# KiCad board handheld.kicad_pcb
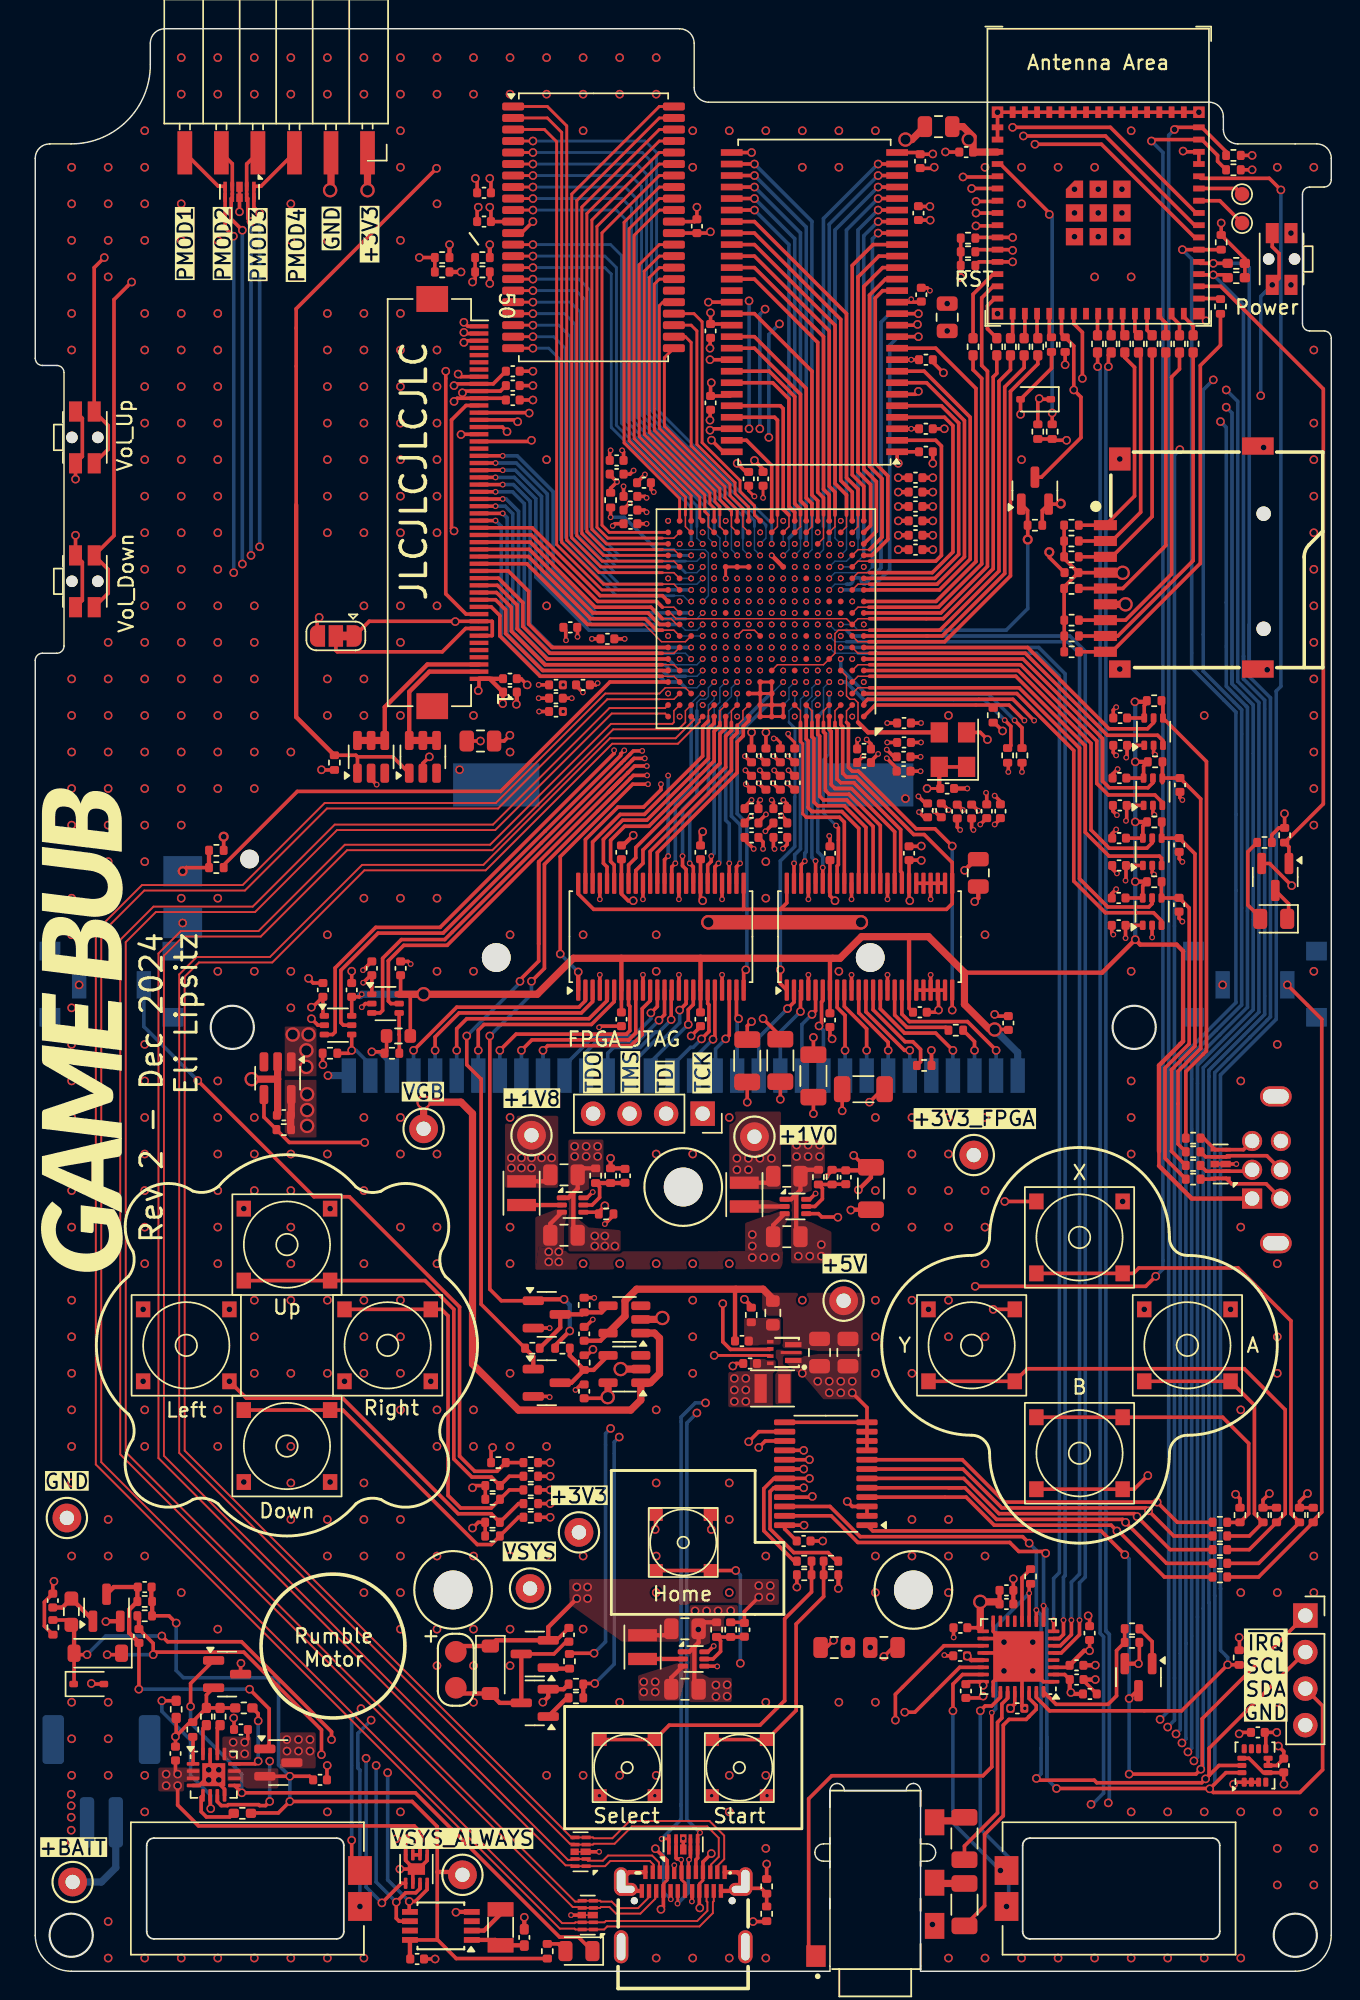
[diagram p0: board, top side]
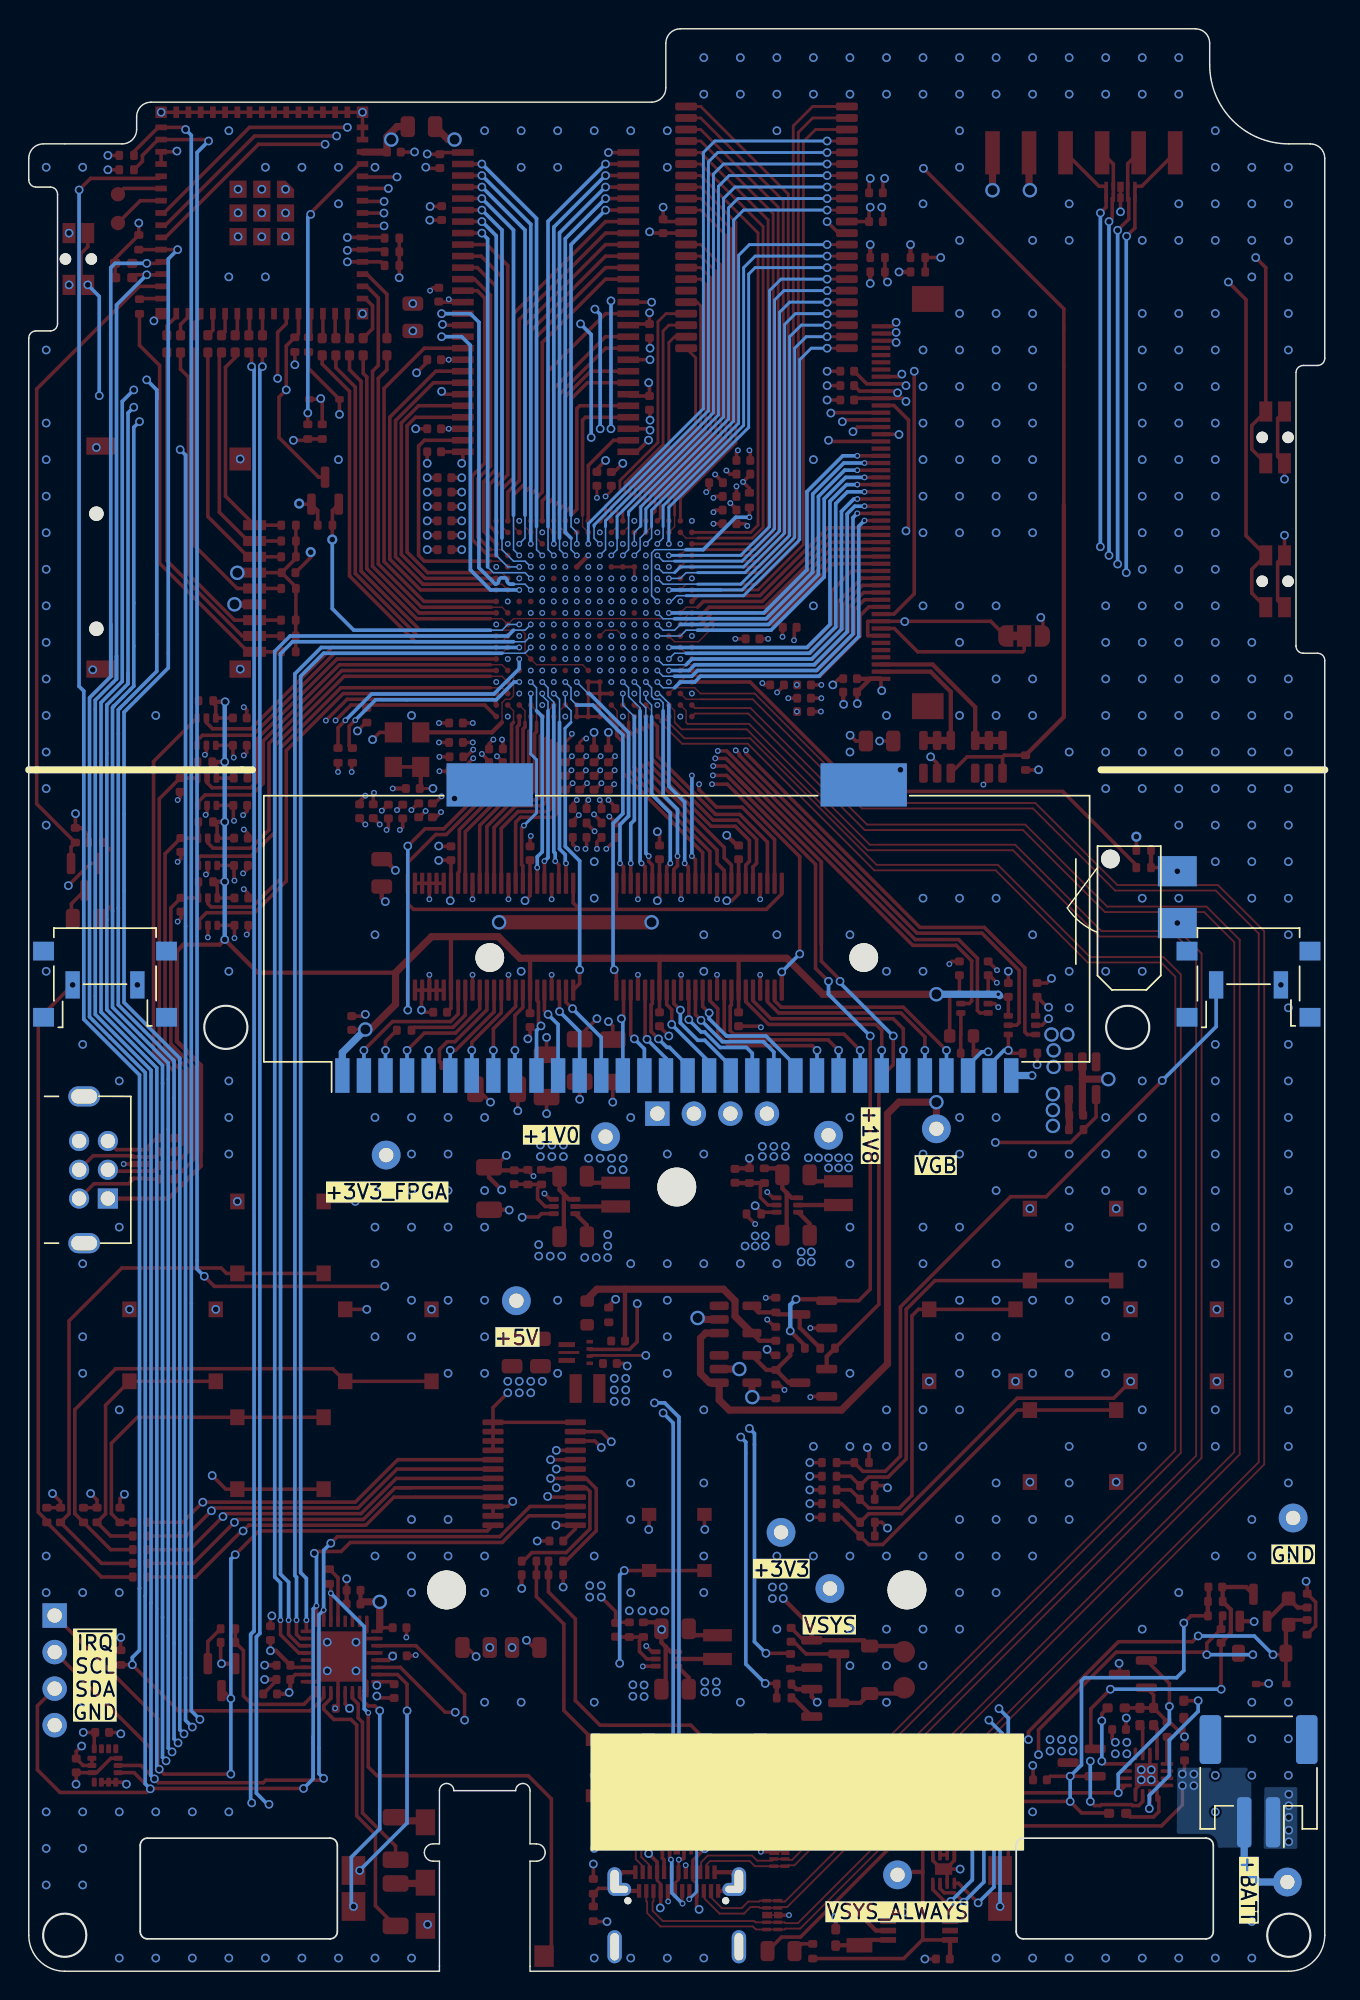
[diagram p1: board, bottom side, seen from below]

Outline 90.1 x 135 mm; copper layers: F.Cu (SIG), In1.Cu (GND) (plane), In2.Cu (SIG), In3.Cu (PWR) (plane), In4.Cu (GND) (plane), B.Cu (SIG). Coordinates in mm from the lower left corner of the outline.
Outline path: circle c2.5,2.5 r1.5 ; circle c13.7,65.6 r1.5 ; circle c76.4,65.6 r1.5 ; circle c87.6,2.5 r1.5 ; 55.25,0.35 55.25,0 2.5,0 arc(0.73,0.73) 0,2.5 0,91.1 arc(0.15,91.45) 0.5,91.6 1.5,91.6 arc(1.85,91.75) 2,92.1 2,111.1 arc(1.85,111.45) 1.5,111.6 0.5,111.6 arc(0.15,111.75) 0,112.1 0,126 arc(0.29,126.71) 1,127 2.5,127 arc(6.39,128.61) 8,132.5 8,134 arc(8.29,134.71) 9,135 44.81,135 arc(45.51,134.71) 45.81,134 45.81,130.9 arc(46.1,130.19) 46.81,129.9 81.6,129.9 arc(82.31,129.61) 82.6,128.9 82.6,128 arc(82.89,127.29) 83.6,127 89.1,127 arc(89.81,126.71) 90.1,126 90.1,124.5 arc(89.95,124.15) 89.6,124 88.6,124 arc(88.25,123.85) 88.1,123.5 88.1,114.5 arc(88.25,114.15) 88.6,114 89.6,114 arc(89.95,113.85) 90.1,113.5 90.1,2.5 arc(89.37,0.73) 87.6,0 61.55,0 61.55,0.35
Stack: F.Cu (SIG) 0.035mm / dielectric 0.0994mm FR4 er 4.5 / In1.Cu (GND) 0.0152mm / dielectric 0.55mm FR4 er 4.5 / In2.Cu (SIG) 0.0152mm / dielectric 0.1088mm FR4 er 4.5 / In3.Cu (PWR) 0.0152mm / dielectric 0.55mm FR4 er 4.5 / In4.Cu (GND) 0.0152mm / dielectric 0.0994mm FR4 er 4.5 / B.Cu (SIG) 0.035mm

## Placement (name value [footprint] x y rotation side)
C201  100n  [C_0402_1005Metric]  26.23 9.2 0 top
C202  4u7  [C_0402_1005Metric]  14.3 16.8 180 top
C203  4u7  [C_0402_1005Metric]  19.8 13.3 0 top
C204  4u7  [C_0402_1005Metric]  9.75 15.13 90 top
C205  10u  [C_0402_1005Metric]  1.22 25.76 270 top
C206  100n  [C_0402_1005Metric]  7.61 26.7 180 top
C207  1u  [C_0402_1005Metric]  7.21 23.3 90 top
C301  47u  [C_0805_2012Metric]  52.25 55.25 0 top
C302  47u  [C_0805_2012Metric]  52.25 51.05 0 top
C303  22p  [C_0402_1005Metric]  56.35 55.18 90 top
C304  10u  [C_0402_1005Metric]  49.7 42.24 180 top
C305  470p  [C_0402_1005Metric]  49.13 43.8 180 top  (not fitted)
C306  22u  [C_0805_2012Metric]  56.5 43 270 top
C307  22u  [C_0805_2012Metric]  54.53 43 270 top
C308  47u  [C_0805_2012Metric]  36.76 55.35 0 top
C309  47u  [C_0805_2012Metric]  36.76 51.15 0 top
C310  22p  [C_0402_1005Metric]  41 55.28 90 top
C311  47u  [C_0805_2012Metric]  45.17 23.8 0 top
C312  47u  [C_0805_2012Metric]  45.17 19.6 0 top
C313  22p  [C_0402_1005Metric]  49.3 23.73 90 top  (not fitted)
C314  100n  [C_0402_1005Metric]  17.28 59.49 0 top
C401  100n  [C_0402_1005Metric]  64.72 126.43 0 top
C402  22u  [C_0805_2012Metric]  62.8 128.2 180 top
C403  100n  [C_0402_1005Metric]  72.04 97.2 0 top
C601  100u  [C_1206_3216Metric]  54.1 62.22 90 top
C602  100u  [C_1206_3216Metric]  51.8 63.3 90 top
C603  100u  [C_1206_3216Metric]  49.5 63.28 90 top
C604  100u  [C_1206_3216Metric]  58.1 54.4 270 top
C605  4u7  [C_0402_1005Metric]  49.8 80.8 0 top
C606  4u7  [C_0402_1005Metric]  51.8 79.8 180 top
C607  4u7  [C_0402_1005Metric]  51.8 80.8 180 top
C608  4u7  [C_0402_1005Metric]  51.8 78.8 0 top
C609  4u7  [C_0402_1005Metric]  49.8 78.8 0 top
C610  4u7  [C_0402_1005Metric]  49.8 79.8 0 top
C611  470n  [C_0402_1005Metric]  50.8 82.6 270 top
C612  470n  [C_0402_1005Metric]  51.8 82.6 270 top
C613  470n  [C_0402_1005Metric]  49.8 82.6 270 top
C614  470n  [C_0402_1005Metric]  49.8 84.5 270 top
C615  470n  [C_0402_1005Metric]  52.8 84.5 270 top
C616  470n  [C_0402_1005Metric]  51.8 84.5 270 top
C617  470n  [C_0402_1005Metric]  50.6 103.72 90 top
C618  470n  [C_0402_1005Metric]  49.6 103.72 90 top
C619  100u  [C_1206_3216Metric]  57.57 61.3 0 top
C620  470n  [C_0402_1005Metric]  50.8 84.5 270 top
C621  470n  [C_0402_1005Metric]  52.8 82.6 270 top
C622  47u  [C_0805_2012Metric]  30.95 85.5 180 top
C623  4u7  [C_0402_1005Metric]  36.2 89.4 180 top
C624  4u7  [C_0402_1005Metric]  36.2 88.47 180 top
C625  470n  [C_0402_1005Metric]  37.2 93.4 0 top
C626  470n  [C_0402_1005Metric]  39.78 92.6 180 top
C627  470n  [C_0402_1005Metric]  38.08 89.4 180 top
C628  470n  [C_0402_1005Metric]  36.2 87.55 180 top
C629  47u  [C_0805_2012Metric]  65.56 76.34 270 top
C701  47u  [C_0805_2012Metric]  63.4 114.95 90 top
C702  100n  [C_0402_1005Metric]  63.4 82.2 180 top
C801  470n  [C_0402_1005Metric]  42.32 103.45 180 top
C802  470n  [C_0402_1005Metric]  41.38 102.5 180 top
C803  470n  [C_0402_1005Metric]  41.38 101.55 180 top
C804  470n  [C_0402_1005Metric]  41.38 100.6 180 top
C805  4u7  [C_0402_1005Metric]  40.42 104.05 0 top
C806  4u7  [C_0402_1005Metric]  40.42 105 0 top
C901  470n  [C_0402_1005Metric]  64.1 80.6 90 top
C902  470n  [C_0402_1005Metric]  65.1 80.6 90 top
C903  470n  [C_0402_1005Metric]  62.99 80.68 270 top
C904  470n  [C_0402_1005Metric]  62.04 80.68 270 top
C905  4u7  [C_0402_1005Metric]  67.1 80.62 270 top
C906  4u7  [C_0402_1005Metric]  66.15 80.62 270 top
C1101  470n  [C_0402_1005Metric]  61.2 101.8 0 top
C1102  470n  [C_0402_1005Metric]  61.2 100.8 0 top
C1103  470n  [C_0402_1005Metric]  61.2 99.8 0 top
C1104  470n  [C_0402_1005Metric]  61.2 98.8 0 top
C1105  4u7  [C_0402_1005Metric]  61.2 103.8 0 top
C1106  4u7  [C_0402_1005Metric]  61.2 102.8 0 top
C1201  470n  [C_0402_1005Metric]  57.62 84.95 0 top
C1202  470n  [C_0402_1005Metric]  57.62 84 0 top
C1203  470n  [C_0402_1005Metric]  60.4 86.75 0 top
C1204  470n  [C_0402_1005Metric]  60.4 85.4 0 top
C1205  4u7  [C_0402_1005Metric]  60.37 84.4 0 top
C1206  4u7  [C_0402_1005Metric]  60.37 83.4 0 top
C1301  100n  [C_0402_1005Metric]  33 89.83 180 top
C1302  100n  [C_0402_1005Metric]  33 88.9 180 top
C1303  100n  [C_0402_1005Metric]  33.2 111.2 180 top
C1304  100n  [C_0402_1005Metric]  33.2 110.2 180 top
C1305  100n  [C_0402_1005Metric]  33.2 109.2 180 top
C1401  100n  [C_0402_1005Metric]  61.52 125.8 90 top
C1402  100n  [C_0402_1005Metric]  61.6 116.52 270 top
C1403  100n  [C_0402_1005Metric]  61.92 112 180 top
C1404  100n  [C_0402_1005Metric]  46.95 114 90 top
C1405  100n  [C_0402_1005Metric]  46.95 109 90 top
C1406  100n  [C_0402_1005Metric]  61.92 105.6 180 top
C1407  100n  [C_0402_1005Metric]  61.92 107.2 180 top
C1408  10u  [C_0402_1005Metric]  61.4 122.19 270 top
C1409  10u  [C_0402_1005Metric]  31.2 123.6 180 top
C1410  100n  [C_0402_1005Metric]  31.2 121.6 0 top
C1411  100n  [C_0402_1005Metric]  46 121.28 270 top
C1501  100n  [C_0402_1005Metric]  85 16.6 180 top
C1502  100n  [C_0402_1005Metric]  86.8 14.3 270 top
C1503  100n  [C_0402_1005Metric]  37.1 23.38 90 top
C1504  100n  [C_0402_1005Metric]  26.55 0.85 180 top
C1505  22p  [C_0402_1005Metric_Pad0.74x0.62mm_HandSolder]  34 2.35 270 top
C1601  100n  [C_0402_1005Metric]  53.42 29.9 0 top
C1701  10u  [C_0402_1005Metric]  67.52 25.52 0 top
C1702  100n  [C_0402_1005Metric]  68.28 18.27 180 top
C1703  10u  [C_0402_1005Metric]  67.52 26.47 0 top
C1704  100n  [C_0402_1005Metric]  64.32 23.87 0 top
C1705  22u  [C_0805_2012Metric]  55.55 22.5 180 top
C1706  100n  [C_0402_1005Metric]  64.7 19.47 90 top
C1707  22u  [C_0805_2012Metric]  59 22.5 0 top
C1708  100n  [C_0402_1005Metric]  64.3 21.92 0 top
C1709  10u  [C_0402_1005Metric]  73.3 23.5 90 top
C1710  100n  [C_0402_1005Metric]  72.39 21.26 180 top
C1711  10u  [C_0402_1005Metric]  73.32 19.27 0 top
C1712  100n  [C_0402_1005Metric]  72.4 20.27 180 top
C1713  100u  [C_1206_3216Metric]  64.6 4.62 90 top
C1714  100u  [C_1206_3216Metric]  64.6 9.22 90 top
C1801  100n  [C_0402_1005Metric]  38.16 44.3 270 top
C1802  100n  [C_0402_1005Metric]  38.16 40.3 270 top
C1901  100n  [C_0402_1005Metric]  46.25 66.16 90 top
C1902  100n  [C_0402_1005Metric]  40.75 66.16 90 top
C1903  100n  [C_0402_1005Metric]  46.25 77.76 270 top
C1904  100n  [C_0402_1005Metric]  40.75 77.76 270 top
C1905  100n  [C_0402_1005Metric]  25.4 69.7 270 top
C1906  100n  [C_0402_1005Metric]  23.4 69.7 270 top
C1907  100n  [C_0402_1005Metric]  67.65 65.9 270 top
C1908  100n  [C_0402_1005Metric]  22 68.2 270 top
C1909  100n  [C_0402_1005Metric]  20 68.2 270 top
C1910  100n  [C_0402_1005Metric]  55.25 66.1 90 top
C1911  100n  [C_0402_1005Metric]  61.5 66.65 180 top
C1912  100n  [C_0402_1005Metric]  60.75 77.7 270 top
C1913  100n  [C_0402_1005Metric]  55.25 77.7 270 top
C2001  100p  [C_0402_1005Metric]  79.58 82.44 270 top
C2002  100p  [C_0402_1005Metric]  79.53 78.28 270 top
C2003  100p  [C_0402_1005Metric]  79.52 74.12 270 top
C2004  100n  [C_0402_1005Metric]  75.32 74.59 0 top
C2005  100n  [C_0402_1005Metric]  75.32 72.69 0 top
C2006  100n  [C_0402_1005Metric]  75.38 82.92 0 top
C2007  100n  [C_0402_1005Metric]  75.4 81.03 0 top
C2008  100n  [C_0402_1005Metric]  75.35 78.75 0 top
C2009  100n  [C_0402_1005Metric]  75.35 76.85 0 top
C2010  100n  [C_0402_1005Metric]  75.43 87.1 0 top
C2011  100n  [C_0402_1005Metric]  75.43 85.2 0 top
D201  CHARGE_LED  [LED_0805_2012Metric]  37.8 1.4 180 top
D202  D_Schottky  [D_SOD-323]  69.55 109.25 180 top
D203  D_Schottky  [D_SOD-323]  3.72 19.96 0 top
D204  1N4148W  [D_SOD-123]  4.35 22.1 180 top
D401  STATUS_LED  [LED_0805_2012Metric]  86.1 73.14 180 top
D501  H5VU25U  [Diodes_UDFN-10_1.0x2.5mm_P0.5mm]  45.05 8.81 90 top
D502  H5VU25U  [Diodes_UDFN-10_1.0x2.5mm_P0.5mm]  38.41 3.9 180 top
D503  H5VU25U  [Diodes_UDFN-10_1.0x2.5mm_P0.5mm]  37.91 8.3 180 top
D801  H5VU25U  [Diodes_UDFN-10_1.0x2.5mm_P0.5mm]  14.2 123.67 270 top
D1501  1N4148W  [D_SOD-123]  31.64 20.95 270 top
D2001  H5VU25U  [Diodes_UDFN-10_1.0x2.5mm_P0.5mm]  82.41 56.1 180 top
H101  MountingHole  [MountingHole_2.7mm_M2.5]  45.05 54.5 0 top
H102  MountingHole  [MountingHole_2.7mm_M2.5]  29.05 26.5 0 top
H103  MountingHole  [MountingHole_2.7mm_M2.5]  61.05 26.5 0 top
J201  Batt_Conn  [JST_PH_S2B-PH-SM4-TB_1x02-1MP_P2.00mm_Horizontal]  4.6 13.2 0 bottom
J401  TP_I2C  [PinSocket_1x04_P2.54mm_Vertical]  88.3 24.72 0 top  (not fitted)
J402  Micro_SD_Card_Det1  [microSD_G-Switch_GT-TF003-H0185-02]  79.7 98.25 90 top
J501  USB_C_Receptacle_USB2.0  [USB-C-SMD_TYPE-C-24P-QT]  45.05 4.29 0 top
J701  FPGA_JTAG  [PinSocket_1x04_P2.54mm_Vertical]  46.4 59.6 270 top  (not fitted)
J801  PMOD  [PinSocket_1x06_P2.54mm_Horizontal_SMD]  23.1 126.95 270 top
J1301  ~  [Hirose_FH12S-50S-0.5SH_1x50-1MP_P0.50mm_Horizontal_FLIPPED]  29 102.07 270 top
J1501  Vibration_Motor  [Rumble_Motor_Pads]  29.24 20.95 270 top
J1701  SPK_L  [Speaker_Same_Sky_CMS-160903-18S-X8]  14.75 5.75 180 top
J1702  SPK_R  [Speaker_Same_Sky_CMS-160903-18S-X8]  75.35 5.75 0 top
J1703  Headphone Jack  [Jack_3.5mm_CUI_SJ-43614-SMT]  58.4 6.35 90 top
J1901  Cartridge_Slot  [GameBoy_Cartridge_AGS_1x32-1MP_P1.50mm_Socket_Horizontal]  45.05 72.5 180 bottom
J2001  Link_Port  [GameBoy_LinkPort_AGB_Horizontal]  84.6 53.7 0 bottom
JP1301  SolderJumper_3_Bridged12  [SolderJumper-3_P1.3mm_Bridged12_RoundedPad1.0x1.5mm]  20.9 92.8 180 top
L301  1u  [L_Sunlord_SWPA252012S]  49.3 53.97 90 top
L302  1u  [L_Sunlord_SWPA252012S]  51.25 40.5 0 top
L303  1u  [L_Sunlord_SWPA252012S]  33.81 54.08 90 top
L304  1u  [L_Sunlord_SWPA252012S]  42.22 22.53 90 top
Q201  AO3400A  [SOT-23]  13.34 20.65 0 top
Q202  AO3401A  [SOT-23]  16.9 14.5 0 top
Q203  AO3400A  [SOT-23]  4.96 25.26 90 top
Q401  AO3400A  [SOT-23]  86.21 76.05 270 top
Q1201  AO3400A  [SOT-23]  69.5 102.9 90 top
Q1501  AO3401A  [SOT-23]  34.73 22.05 180 top
Q1502  AO3400A  [SOT-23]  34.73 18.65 180 top
Q1701  AO3400A  [SOT-23]  76.7 20.44 270 top
Q1801  AO3400A  [SOT-23]  35.56 45.65 0 top
Q1802  AO3400A  [SOT-23]  35.56 40.9 0 top
R201  47K  [R_0402_1005Metric_Pad0.72x0.64mm_HandSolder]  12.85 17.7 90 top  (not fitted)
R202  0R  [R_0402_1005Metric_Pad0.72x0.64mm_HandSolder]  9.8 18.2 90 top
R203  0R  [R_0402_1005Metric_Pad0.72x0.64mm_HandSolder]  14.4 10.97 180 top
R204  10K  [R_0402_1005Metric]  10.95 16.8 90 top
R205  1K1  [R_0402_1005Metric_Pad0.72x0.64mm_HandSolder]  14.5 18.3 180 top
R206  1K  [R_0402_1005Metric_Pad0.72x0.64mm_HandSolder]  11.9 17.7 270 top
R207  2K2  [R_0402_1005Metric]  35.6 1.39 90 top
R208  100K  [R_0402_1005Metric]  82.45 120.16 270 top
R209  10K  [R_0402_1005Metric]  7.61 24.7 180 top
R210  100K  [R_0402_1005Metric]  7.61 25.7 180 top
R211  100K  [R_0402_1005Metric]  1.23 23.9 90 top
R212  470K  [R_0603_1608Metric_Pad0.98x0.95mm_HandSolder]  2.51 24.99 270 top
R213  1K  [R_0402_1005Metric]  70.65 113.05 90 top
R301  10K  [R_0402_1005Metric]  55.4 55.19 270 top
R302  15K  [R_0402_1005Metric]  54.45 55.19 90 top
R303  100K  [R_0402_1005Metric]  39.69 52.63 180 top
R304  220K  [R_0603_1608Metric]  51.28 45.75 270 top
R305  100K  [R_0402_1005Metric]  83.3 125.2 0 top
R306  30K  [R_0402_1005Metric]  40 55.29 270 top
R307  30K  [R_0402_1005Metric]  49.78 45.61 90 top
R308  15K  [R_0402_1005Metric]  38.96 55.29 90 top
R309  68K  [R_0402_1005Metric]  48.35 23.74 270 top
R310  15K  [R_0402_1005Metric]  47.37 23.74 90 top
R311  100K  [R_0402_1005Metric]  17.28 58.49 180 top
R401  10K  [R_0402_1005Metric]  83.3 126.2 180 top
R402  0R  [R_0402_1005Metric_Pad0.72x0.64mm_HandSolder]  74.8 113.1 270 top
R403  10K  [R_0402_1005Metric]  71.6 113.05 90 top
R404  3K3  [R_0402_1005Metric_Pad0.72x0.64mm_HandSolder]  83.5 117.7 180 top
R405  3K3  [R_0402_1005Metric_Pad0.72x0.64mm_HandSolder]  83.5 118.7 180 top
R406  0R  [R_0402_1005Metric_Pad0.72x0.64mm_HandSolder]  73.85 113.1 270 top
R407  2K2  [R_0402_1005Metric]  85.46 78.45 180 top
R408  0R  [R_0402_1005Metric_Pad0.72x0.64mm_HandSolder]  65.2 112.9 270 top
R409  0R  [R_0402_1005Metric_Pad0.72x0.64mm_HandSolder]  66.85 112.9 270 top
R410  0R  [R_0402_1005Metric_Pad0.72x0.64mm_HandSolder]  67.8 112.9 270 top
R411  0R  [R_0402_1005Metric_Pad0.72x0.64mm_HandSolder]  68.75 112.9 270 top
R412  100K  [R_0402_1005Metric]  86.86 78.95 270 top
R413  0R  [R_0402_1005Metric_Pad0.72x0.64mm_HandSolder]  69.7 112.9 270 top
R414  0R  [R_0402_1005Metric_Pad0.72x0.64mm_HandSolder]  76.7 113.1 90 top
R415  0R  [R_0402_1005Metric_Pad0.72x0.64mm_HandSolder]  75.75 113.1 270 top
R416  0R  [R_0402_1005Metric_Pad0.72x0.64mm_HandSolder]  78.6 113.1 90 top
R417  0R  [R_0402_1005Metric_Pad0.72x0.64mm_HandSolder]  79.55 113.1 90 top
R418  0R  [R_0402_1005Metric_Pad0.72x0.64mm_HandSolder]  77.65 113.1 270 top
R419  0R  [R_0402_1005Metric_Pad0.72x0.64mm_HandSolder]  80.5 113.1 270 top
R420  10K  [R_0402_1005Metric]  72.04 100.5 0 top
R421  10K  [R_0402_1005Metric]  72.04 99.4 0 top
R422  10K  [R_0402_1005Metric]  72.04 98.3 0 top
R423  10K  [R_0402_1005Metric]  72.04 96.1 0 top
R424  10K  [R_0402_1005Metric]  72.05 93.9 0 top
R425  10K  [R_0402_1005Metric]  72.05 92.8 0 top
R426  10K  [R_0402_1005Metric]  72.05 91.7 180 top
R427  10K  [R_0402_1005Metric]  82.4 115.7 90 top
R501  5K1  [R_0402_1005Metric]  50.85 5.9 270 top
R502  5K1  [R_0402_1005Metric]  50.85 3.99 90 top
R701  4K7  [R_0402_1005Metric]  64.85 120.45 180 top
R702  4K7  [R_0402_1005Metric]  64.85 118.55 180 top
R703  4K7  [R_0402_1005Metric]  64.85 119.5 180 top
R801  1K  [R_0402_1005Metric]  40 102.24 90 top
R1201  330R  [R_0402_1005Metric]  68.6 84.5 90 top
R1202  330R  [R_0402_1005Metric]  67.6 84.5 90 top
R1203  10K  [R_0402_1005Metric]  69.5 100.5 0 top
R1301  10K  [R_0402_1005Metric]  20.8 84 270 top
R1501  10K  [R_0402_1005Metric]  66.6 87.29 90 top
R1502  1K  [R_0402_1005Metric]  37.14 21.54 270 top
R1503  1K  [R_0402_1005Metric]  37.59 19 180 top
R1504  10K  [R_0402_1005Metric]  37.59 19.95 180 top
R1601  10K  [R_0402_1005Metric]  31.8 33.75 0 top
R1602  10K  [R_0402_1005Metric]  87.9 31.7 270 top
R1603  10K  [R_0402_1005Metric]  34.45 34.4 180 top
R1604  10K  [R_0402_1005Metric]  82.36 28.35 0 top
R1605  10K  [R_0402_1005Metric]  31.79 31.2 0 top
R1606  10K  [R_0402_1005Metric]  31.8 32.8 0 top
R1607  10K  [R_0402_1005Metric]  86.29 31.7 270 top
R1608  10K  [R_0402_1005Metric]  85.35 31.7 270 top
R1609  10K  [R_0402_1005Metric]  34.45 32.5 180 top
R1610  10K  [R_0402_1005Metric]  34.45 33.45 180 top
R1611  10K  [R_0402_1005Metric]  82.36 29.3 0 top
R1612  10K  [R_0402_1005Metric]  82.36 30.25 0 top
R1613  10K  [R_0402_1005Metric]  31.79 30.25 0 top
R1614  10K  [R_0402_1005Metric]  83.75 31.7 270 top
R1615  10K  [R_0402_1005Metric]  34.45 31.55 180 top
R1616  10K  [R_0402_1005Metric]  82.36 31.2 0 top
R1617  10K  [R_0402_1005Metric]  53.46 27.55 0 top
R1618  10K  [R_0402_1005Metric]  69.7 107 270 top
R1619  10K  [R_0402_1005Metric]  55.32 27.55 180 top
R1620  10K  [R_0402_1005Metric]  53.46 28.5 0 top
R1621  10K  [R_0402_1005Metric]  70.7 107 270 top
R1622  10K  [R_0402_1005Metric]  55.32 28.5 180 top
R1623  10K  [R_0402_1005Metric]  32.2 35.35 0 top
R1624  10K  [R_0402_1005Metric]  34.45 35.35 180 top
R1625  10K  [R_0402_1005Metric]  88.84 31.7 270 top
R1626  10K  [R_0402_1005Metric]  28.29 118.1 180 top
R1627  10K  [R_0402_1005Metric]  82.36 27.4 0 top
R1628  10K  [R_0402_1005Metric]  28.29 119.1 180 top
R1629  10K  [R_0402_1005Metric]  31.09 118.1 180 top
R1630  10K  [R_0402_1005Metric]  31.09 119.1 180 top
R1701  100K  [R_0402_1005Metric]  83.7 21.8 90 top
R1702  1K  [R_0402_1005Metric]  76.25 23.8 180 top
R1703  2K2  [R_0402_1005Metric]  69.2 27.44 270 top
R1704  10K  [R_0402_1005Metric]  76.25 22.85 0 top
R1801  10K  [R_0402_1005Metric]  34.56 43.3 0 top
R1802  100K  [R_0402_1005Metric]  38.16 46.3 270 top
R1803  10K  [R_0402_1005Metric]  12.59 76.7 180 top
R1804  10K  [R_0402_1005Metric]  36.65 43.3 0 top
R1805  10K  [R_0402_1005Metric]  12.59 77.9 0 top
R1806  100K  [R_0402_1005Metric]  38.16 42.3 270 top
R1901  49R9  [R_0402_1005Metric]  64 65.4 180 top
R1902  49R9  [R_0402_1005Metric]  61.8 62.95 0 top
R1903  100K  [R_0402_1005Metric]  20.49 63.8 0 top
R1904  27K  [R_0603_1608Metric]  25.25 65 180 top
R1905  49R9  [R_0402_1005Metric]  24.8 63.8 0 top
R2001  330R  [R_0402_1005Metric]  80.5 55.05 180 top
R2002  330R  [R_0402_1005Metric]  80.5 56 180 top
R2003  330R  [R_0402_1005Metric]  80.5 56.95 180 top
R2004  330R  [R_0402_1005Metric]  80.5 57.9 180 top
R2005  47K  [R_0402_1005Metric]  77.79 75.72 0 top
R2006  47K  [R_0402_1005Metric]  77.85 84.05 0 top
R2007  47K  [R_0402_1005Metric]  77.81 79.88 0 top
R2008  30K  [R_0402_1005Metric]  77.79 88.3 0 top
SW201  Power  [SW_SPST_SKSC]  86.65 119 90 top
SW1601  Up  [SW_SPST_SKRR]  17.5 50.5 180 top
SW1602  X  [SW_SPST_SKRR]  72.6 51 180 top
SW1603  Left  [SW_SPST_SKRR]  10.5 43.5 180 top
SW1604  Right  [SW_SPST_SKRR]  24.5 43.5 0 top
SW1605  Y  [SW_SPST_SKRR]  65.1 43.5 180 top
SW1606  A  [SW_SPST_SKRR]  80.1 43.5 180 top
SW1607  Down  [SW_SPST_SKRR]  17.5 36.5 0 top
SW1608  B  [SW_SPST_SKRR]  72.6 36 0 top
SW1609  Select  [SW_SPST_SKRB]  41.15 14.15 0 top
SW1610  Home  [SW_SPST_SKRB]  45.05 29.8 180 top
SW1611  Start  [SW_SPST_SKRB]  48.95 14.15 0 top
SW1612  L  [SW_Tactile_SPST_PTS645Vxx13SMT]  5.3 68.55 180 bottom
SW1613  R  [SW_Tactile_SPST_PTS645Vxx13SMT]  84.8 68.55 180 bottom
SW1614  Vol_Up  [SW_SPST_SKSC]  3.45 106.6 270 top
SW1615  Vol_Down  [SW_SPST_SKSC]  3.45 96.6 270 top
SW1801  SW_Cartridge  [JJOV0UL650NONPRBK_SIDE]  13.6 70 90 bottom
TP201  +BATT  [TestPoint_2.54mm_THT]  2.6 6.2 0 top
TP202  VSYS_ALWAYS  [TestPoint_2.54mm_THT]  29.7 6.7 0 top
TP203  VSYS  [TestPoint_2.54mm_THT]  34.4 26.6 0 top
TP301  +1V0  [TestPoint_2.54mm_THT]  50 58 0 top
TP302  +1V8  [TestPoint_2.54mm_THT]  34.5 58.1 0 top
TP303  +3V3  [TestPoint_2.54mm_THT]  37.8 30.5 0 top
TP304  +5V  [TestPoint_2.54mm_THT]  56.2 46.6 0 top
TP305  +3V3_FPGA  [TestPoint_2.54mm_THT]  65.25 56.72 0 top
TP306  GND  [TestPoint_2.54mm_THT]  2.2 31.5 0 top
TP401  FPGA_SPI_~{CS}  [TestPoint_Pad_D1.0mm]  83.9 121.5 0 top
TP402  FPGA_SPI_~{CS}  [TestPoint_Pad_D1.0mm]  83.9 123.5 0 top
TP1801  VGB  [TestPoint_2.54mm_THT]  27 58.55 0 top
U201  MAX17048  [TDFN-8-1EP_2x2mm_P0.5mm_EP0.8x1.2mm]  26.5 7.1 270 top
U202  BQ24073RGT  [VQFN-16-1EP_3x3mm_P0.5mm_EP1.6x1.6mm]  12.41 13.66 0 top
U301  TLV62585PDRL  [SOT-563]  52.85 53.15 0 top
U302  TPS61022RWUR  [VQFN-7_L2.0-W2.0-P0.55-TL_RWU]  52.07 43 180 top
U303  TLV62585PDRL  [SOT-563]  37.36 53.25 0 top
U304  TLV62585PDRL  [SOT-563]  45.77 21.7 0 top
U305  AP2191W  [SOT-23-5]  16.85 62.06 270 top
U401  ESP32-S3-MINI-1-N8  [ESP32-S3-MINI-1]  73.9 122.2 0 top
U601  XC7A100T-CSG324  [Xilinx_CSG324]  50.8 94 180 top
U1301  AP2502  [SOT-23-6]  26.95 84.4 90 top
U1302  AP2502  [SOT-23-6]  23.35 84.4 90 top
U1401  W9825G6KH-6  [TSOP-II-54_22.2x10.16mm_P0.8mm]  54.17 116 180 top